# Allegro board Lay-45699_A.brd
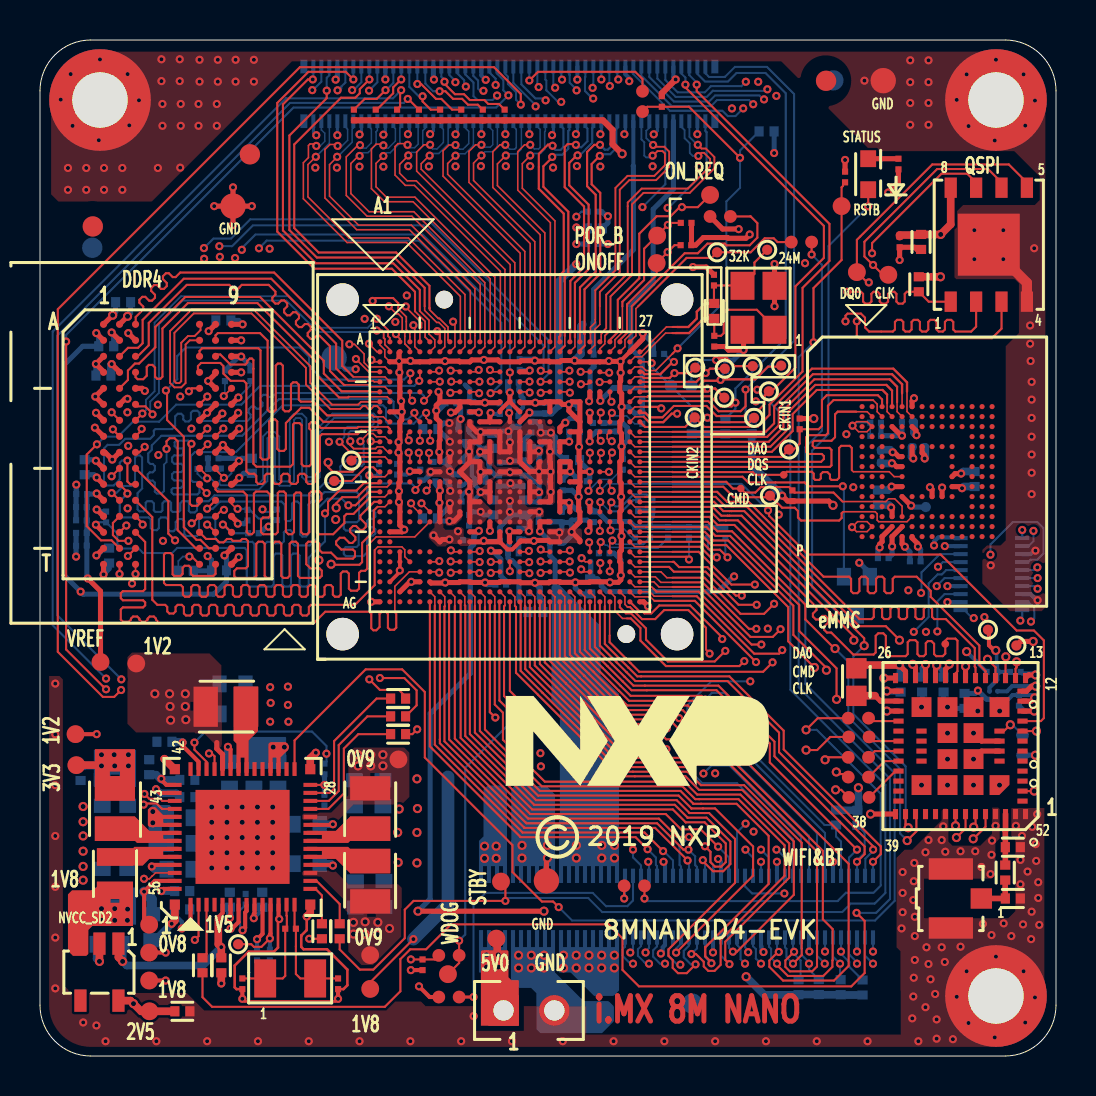
[diagram p0: board, top side]
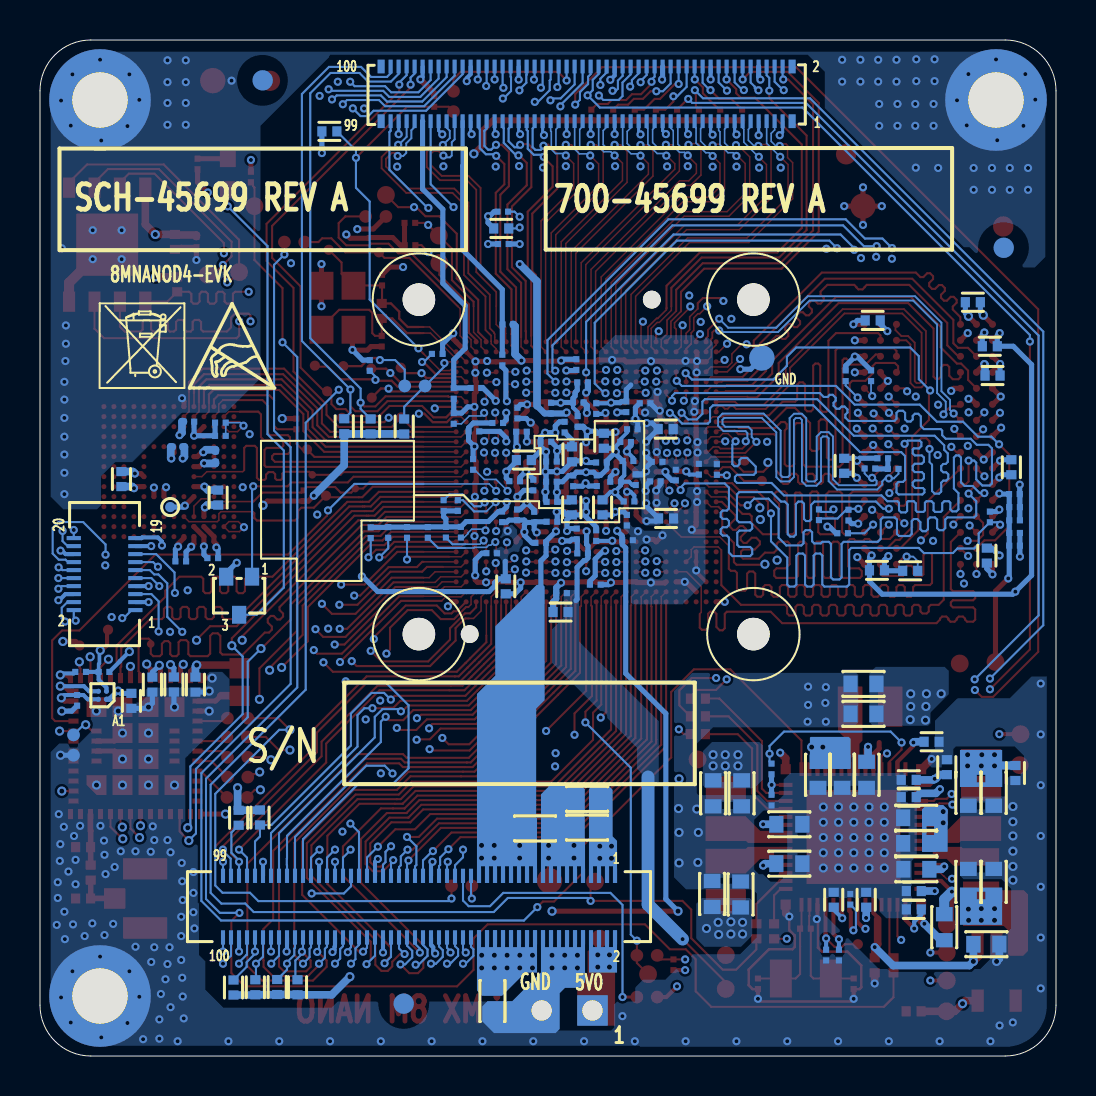
[diagram p1: board, bottom side, seen from below]

Outline 50.8 x 50.8 mm; copper layers: TOP, L2_GND, L3_IN1, L4_PWR_1, L5_PWR_2, BOTTOM. Coordinates in mm from the lower left corner of the outline.
Outline path: 0,48.26 0,2.54 arc(0.74,0.74) 2.54,0 48.26,0 arc(50.06,0.74) 50.8,2.54 50.8,48.26 arc(50.06,50.06) 48.26,50.8 2.54,50.8 arc(0.74,50.06) 0,48.26

## Design rules (mm)
constraint set DEFAULT: min track width 0.104
net group DIFFPAIR4: nets USB2_DN USB2_DP
net group DIFFPAIR5: nets USB1_DN USB1_DP
net group DIFFPAIR6: nets PCIE_TXN PCIE_TXP
net group DIFFPAIR7: nets PCIE_CLKN PCIE_CLKP
net group DIFFPAIR8: nets PCIE_RXN PCIE_RXP
net group DIFFPAIR9: nets DSI_DN3 DSI_DP3
net group DIFFPAIR10: nets DSI_DN2 DSI_DP2
net group DIFFPAIR11: nets DSI_CKN DSI_CKP
net group DIFFPAIR12: nets DSI_DN1 DSI_DP1
net group DIFFPAIR13: nets DSI_DN0 DSI_DP0
net group DIFFPAIR19: nets CSI_DN0 CSI_DP0
net group DIFFPAIR20: nets CSI_DN1 CSI_DP1
net group DIFFPAIR21: nets CSI_CKN CSI_CKP
net group DIFFPAIR22: nets CSI_DN2 CSI_DP2
net group DIFFPAIR23: nets CSI_DN3 CSI_DP3
net group DIFFPAIR25: nets DRAM_DQS1_N DRAM_DQS1_P
net group DDR-ADDRESS: nets DRAM_A8
net group M-DDR-DATA0: nets DRAM_DMI0 DRAM_DQ00 DRAM_DQ01 DRAM_DQ02 DRAM_DQ03 DRAM_DQ04 DRAM_DQ05 DRAM_DQ06 DRAM_DQ07 DRAM_DQS0_N DRAM_DQS0_P
net group M-DDR-DATA1: nets DRAM_DMI1 DRAM_DQ08 DRAM_DQ09 DRAM_DQ10 DRAM_DQ11 DRAM_DQ12 DRAM_DQ13 DRAM_DQ14 DRAM_DQ15
net group M-DDRADDRESS: nets DRAM_A0 DRAM_A1 DRAM_A2 DRAM_A3 DRAM_A4 DRAM_A5 DRAM_A6 DRAM_A7 DRAM_A9 DRAM_A10 DRAM_A11 DRAM_A12 DRAM_A13 DRAM_BA0 DRAM_BA1 DRAM_CKE DRAM_NACT DRAM_NCAS(A15) DRAM_NCS DRAM_NRAS DRAM_NWE(A14) DRAM_ODT DRAM_PARITY
net group M-EMMC: nets SD3_DATA1 SD3_DATA2 SD3_DATA3 SD3_DATA4 SD3_DATA5 SD3_DATA6 SD3_DATA7 SD3_STROBE
net group M-SD1: nets SD1_CLK SD1_CMD SD1_DATA0 SD1_DATA1 SD1_DATA2 SD1_DATA3
net group M-SD2: nets SD2_CLK SD2_CMD SD2_DATA0 SD2_DATA1 SD2_DATA2 SD2_DATA3
nets with their own width: min track width 0.091; nets DRAM_CK_C DRAM_CK_T

## Placement (name value [footprint] x y rotation side)
BH1  MOUNTING HOLE  [GNDPOINT256]  47.8 47.8 0 top
BH2  MOUNTING HOLE  [GNDPOINT256]  47.8 3 0 top
BH3  MOUNTING HOLE  [GNDPOINT256]  3 47.8 0 top
C1  0.22UF  [0201_CC]  23.88 32.68 0 bottom
C2  2.2uF  [0402_CC]  27.51 23.48 270 bottom
C3  0.22UF  [0201_CC]  26.94 27.06 270 bottom
C5  0.22UF  [0201_CC]  22.99 32.37 90 bottom
C6  0.22UF  [0201_CC]  25.76 25.66 0 bottom
C8  0.22UF  [0201_CC]  21.49 32.46 90 bottom
C9  0.22UF  [0201_CC]  29.11 31.23 0 bottom
C10  2.2uF  [0402_CC]  6.22 15.71 180 bottom
C11  2.2uF  [0402_CC]  9.06 4.54 270 top
C12  2.2uF  [0402_CC]  11.11 7.81 90 bottom
C13  4.7uF  [0402_CC]  7.36 13.81 180 bottom
C14  4.7uF  [0402_CC]  7.11 7.33 180 bottom
C15  1uF  [0201_CC]  25.21 27.71 180 bottom
C16  1uF  [0201_CC]  22.73 29.67 180 bottom
C17  0.22UF  [0201_CC]  27.69 26.96 270 bottom
C18  4.7uF  [0402_CC]  7.11 8.25 180 bottom
C20  10uF  [0402_CC]  22.61 30.76 270 bottom
C21  0.22UF  [0201_CC]  23.04 23.57 180 bottom
C23  0.22UF  [0201_CC]  26.09 26.94 270 bottom
C30  0.22UF  [0201_CC]  26.93 32.15 90 bottom
C33  10uF  [0402_CC]  24.21 27.43 90 bottom
C35  1uF  [0201_CC]  22.96 28.77 90 bottom
C36  1uF  [0201_CC]  23.96 26.1 270 bottom
C48  1uF  [0201_CC]  21.45 26.79 270 bottom
C54  1uF  [0201_CC]  22.02 28.71 180 bottom
C55  10uF  [0402_CC]  22.67 27.43 90 bottom
C61  1uF  [0201_CC]  21.35 27.73 0 bottom
C65  1uF  [0201_CC]  23.92 31.73 90 bottom
C74  1uF  [0201_CC]  21.4 29.75 0 bottom
C78  1uF  [0201_CC]  21.52 30.7 0 bottom
C88  10uF  [0402_CC]  19.5 26.88 180 bottom
C89  10uF  [0402_CC]  19.51 31.35 180 bottom
C90  1uF  [0201_CC]  21.01 28.82 270 bottom
C91  1uF  [0201_CC]  19.01 29.05 90 bottom
C92  1uF  [0201_CC]  19.94 29.71 180 bottom
C93  1uF  [0201_CC]  20.03 28.73 180 bottom
C94  1uF  [0201_CC]  20.55 32.64 180 bottom
C95  1uF  [0201_CC]  21.18 31.34 0 bottom
C99  0.22UF  [0201_CC]  23.67 25.13 0 bottom
C100  0.22UF  [0201_CC]  23.67 33.68 0 bottom
C101  0.22UF  [0201_CC]  26.13 28.55 270 bottom
C104  0.22UF  [0201_CC]  27.07 28.74 0 bottom
C105  4.7uF  [0402_CC]  4.16 37.69 0 bottom
C106  4.7uF  [0402_CC]  2.23 29.44 90 bottom
C108  4.7uF  [0402_CC]  3.17 34.02 0 bottom
C109  4.7uF  [0402_CC]  3.46 25.02 270 bottom
C110  0.01UF  [0201_CC]  2.08 28.1 180 bottom
C111  4.7uF  [0402_CC]  8.95 24.28 180 bottom
C112  4.7uF  [0402_CC]  3.31 35.49 0 bottom
C113  4.7uF  [0402_CC]  10.59 29.51 90 bottom
C114  4.7uF  [0402_CC]  9.16 36.78 180 bottom
C123  12pF  [0201_CC]  33.7 38.79 90 top
C124  12pF  [0201_CC]  33.71 35.74 270 top
C127  4.7uF  [0402_CC]  46.73 28.85 90 bottom
C128  0.22UF  [0201_CC]  42.03 29.97 270 bottom
C129  0.22UF  [0201_CC]  43.92 30.46 0 bottom
C130  10uF  [0402_CC]  41.89 27.92 90 bottom
C131  0.22UF  [0201_CC]  43.36 31.72 180 bottom
C132  0.22UF  [0201_CC]  43.76 24.73 0 bottom
C133  0.22UF  [0201_CC]  42.16 24.89 0 bottom
C136  0.22UF  [0201_CC]  41.78 31.67 0 bottom
C137  1uF  [0201_CC]  41.78 31.01 0 bottom
C138  0.22UF  [0201_CC]  42.98 40.7 270 top
C139  10uF  [0402_CC]  44.05 40.7 270 top
C140  1uF  [0201_CC]  48.95 17.78 270 bottom
C141  4.7uF  [0402_CC]  43.03 18.57 270 bottom
C142  4.7uF  [0402_CC]  44.11 18.57 270 bottom
C143  4.7uF  [0402_CC]  45.18 18.57 270 bottom
C146  4.7uF  [0402_CC]  46.23 17.76 270 bottom
C148  0.22UF  [0201_CC]  48.77 19.2 0 bottom
C234  4.7uF  [0402_CC]  26.61 29.8 180 bottom
C235  0.22UF  [0201_CC]  25.51 30.71 180 bottom
C241  0.22UF  [0201_CC]  26.73 31.21 0 bottom
C244  0.22UF  [0201_CC]  25.25 32.39 90 bottom
C245  18pF  [0201_CC]  29.14 29.58 90 bottom
C247  10uF  [0402_CC]  24.2 30.08 90 bottom
C248  1uF  [0201_CC]  25.2 26.71 0 bottom
C251  1uF  [0201_CC]  22.99 26.02 270 bottom
C253  1uF  [0201_CC]  24.14 28.76 90 bottom
C254  1uF  [0201_CC]  25.23 29.72 180 bottom
C255  1uF  [0201_CC]  25.23 28.71 180 bottom
C256  1uF  [0201_CC]  24.57 31.44 270 bottom
C260  4.7uF  [0402_CC]  2.03 14.15 270 bottom
C264  0.22UF  [0201_CC]  21.42 25.79 180 bottom
C265  10uF  [0402_CC]  24.77 22.2 0 bottom
C266  10uF  [0402_CC]  5.46 14.44 90 bottom
C267  1uF  [0201_CC]  17.86 29.34 90 bottom
C268  2200PF  [0201_CC]  23.98 34.57 90 bottom
C272  1uF  [0201_CC]  14.22 12.8 90 bottom
C273  1uF  [0201_CC]  11.49 5.05 270 bottom
C275  22uF  [0603_CC]  15.77 8.08 90 bottom
C279  10uF  [0603_CC]  10.69 14.06 90 bottom
C281  10uF  [0603_CC]  13.33 11.59 0 bottom
C283  22uF  [0603_CC]  17.14 13.13 270 bottom
C285  22uF  [0603_CC]  17.19 8.1 90 bottom
C287  22uF  [0603_CC]  15.72 13.13 270 bottom
C295  10uF  [0603_CC]  13.33 9.62 0 bottom
C298  18pF  [0201_CC]  14.9 3.61 270 top
C299  18pF  [0201_CC]  10.12 3.61 270 top
C301  10uF  [0603_CC]  11.9 14.06 90 bottom
C306  10uF  [0603_CC]  6.99 10.63 180 bottom
C307  10uF  [0603_CC]  6.99 11.91 180 bottom
C311  22uF  [0603_CC]  4.38 13.16 270 bottom
C312  22uF  [0603_CC]  3.11 13.16 270 bottom
C316  10uF  [0603_CC]  6.98 9.34 180 bottom
C317  22uF  [0603_CC]  4.38 8.71 90 bottom
C318  22uF  [0603_CC]  3.11 8.71 90 bottom
C323  10uF  [0603_CC]  9.47 14.06 90 bottom
C324  22uF  [0603_CC]  9.63 17.11 0 bottom
C325  22uF  [0603_CC]  9.63 18.61 0 bottom
C333  1uF  [0201_CC]  10.85 5.05 270 bottom
C337  1uF  [0201_CC]  10.29 7.84 90 bottom
C351  4.7uF  [0402_CC]  7.36 12.94 0 bottom
C363  4.7uF  [0402_CC]  9.49 7.81 90 bottom
C365  10uF  [0603_CC]  5.59 6.44 270 bottom
C389  1uF  [0201_CC]  2.07 27.44 180 bottom
C390  1uF  [0201_CC]  2.07 25.52 0 bottom
C391  1uF  [0201_CC]  27.91 31.65 0 bottom
C392  0.22UF  [0201_CC]  28.21 25.14 0 bottom
C393  0.22UF  [0201_CC]  27.41 36.58 180 bottom
C394  0.22UF  [0201_CC]  30.11 33.13 270 bottom
C400  0.22UF  [0201_CC]  24.72 23.14 0 bottom
C401  10uF  [0603_CC]  23.44 12.86 180 bottom
C402  10uF  [0603_CC]  23.44 11.42 180 bottom
C403  22uF  [0603_CC]  26.04 11.38 180 bottom
C404  22uF  [0603_CC]  28.18 2.75 270 bottom
C422  0.22UF  [0201_CC]  8.66 29.89 0 bottom
C423  4.7uF  [0402_CC]  7.12 2.24 0 top
C424  10uF  [0603_CC]  3.48 5.59 0 bottom
D1  LED GREEN  [LED_0603]  41.41 44.09 270 top
J2  MXC3N2001  [CON_3_UFL_R_SMT]  45.54 7.88 270 top
J4  DF40C-100DP-0.4V(51)  [CON100_0P4_21P7X2P05_SM]  23.47 48.11 0 bottom
J5  DF40C-100DS-0.4V(51)  [CON100_0P4_22P8X3P1_SM]  31.85 7.47 0 bottom
J6  HDR 1X2 TH  [HDR_1X2]  23.18 2.28 90 top
J7  DF40C-20DS-0.4V(51)  [CON20_0P4_6P8X3P1_SM]  47.57 24.1 90 bottom
L2  2.2uH  [IND_0603A]  40.82 18.7 270 top
L3  2.2nH  [0402_CC]  48.64 7.88 0 top
L4  1.3nH  [0402_CC]  48.64 10.44 0 top
L5  0.47uH  [IND_SPH2520]  16.51 8.74 270 top
L6  0.47uH  [IND_SPH2520]  16.51 12.37 90 top
L11  1uH  [IND_SPH2520]  3.75 12.37 90 top
L13  0.47uH  [IND_2016A]  3.75 9.12 270 top
L15  0.47uH  [IND_SPH2520]  9.29 17.46 180 top
NOREF  -  []  22.85 9.01 0 top
NOREF#2  -  []  48.62 7.8 0 top
NOREF#3  -  []  43.25 5.9 90 top
NOREF#4  -  []  7.53 14.34 0 top
NOREF#5  -  []  46 27.5 0 top
NOREF#6  -  []  47.48 17.84 0 top
NOREF#7  -  []  7.53 14.34 0 top
NOREF#8  -  []  42.33 19.5 0 top
NOREF#9  -  []  279.89 66.11 0 top
NOREF#10  -  []  6.74 14.34 90 top
NOREF#11  -  []  48.78 18.9 0 top
NOREF#12  -  [unnamed#2]  10.49 45.08 90 top
NOREF#13  -  [unnamed#3]  23.49 29.46 270 top
NOREF#14  -  []  42.93 17.75 90 top
NOREF#15  -  []  20.63 7.45 90 top
NOREF#16  -  []  -292.82 -210.12 0 top
NOREF#17  -  []  42.78 18.9 0 top
NOREF#18  -  []  42.33 11.5 90 top
NOREF#19  -  []  47.88 17.84 90 top
NOREF#20  -  []  13.51 14.34 0 top
NOREF#21  -  []  47.28 18.44 0 top
NOREF#22  -  []  13.52 8.36 90 top
NOREF#23  -  []  6.74 14.34 0 top
NOREF#24  -  []  9.9 24.03 90 top
NOREF#25  -  []  42.78 12.1 90 top
NOREF#26  -  []  42.93 18.25 0 top
NOREF#27  -  []  9.58 24.58 90 top
NOREF#28  -  [unnamed#2]  39.3 48.76 0 top
NOREF#29  -  []  38.33 6.17 0 top
NOREF#30  -  []  -38.84 -146.35 0 top
NOREF#31  -  []  20.45 9.04 0 top
NOREF#32  -  []  41.62 6.72 90 top
NOREF#33  -  []  23.3 13.51 0 top
NOREF#34  -  []  13.52 11.96 90 top
NOREF#35  -  []  46.03 25.9 0 top
NOREF#36  -  []  13.51 7.57 90 top
NOREF#37  -  []  22.05 9.01 0 top
NOREF#38  -  []  3.18 24.58 0 top
NOREF#39  -  []  641.81 -152.03 0 top
NOREF#40  -  []  9.58 24.58 90 top
NOREF#41  -  []  1.33 24.83 0 top
NOREF#42  -  []  46 20.7 90 top
NOREF#43  -  []  13.63 7.45 0 top
NOREF#44  -  []  25.87 10.93 0 top
NOREF#45  -  []  46.03 22.3 90 top
NOREF#46  -  []  23.49 29.21 0 top
NOREF#47  -  []  7.98 24.58 0 top
NOREF#48  -  []  -264.82 291.64 0 top
NOREF#49  -  []  48.08 17.64 90 top
NOREF#50  -  []  0.16 0.59 0 top
NOREF#51  -  []  46.03 22.3 90 top
NOREF#52  -  []  42.93 12.75 90 top
NOREF#53  -  [unnamed#2]  2.64 41.48 0 top
NOREF#54  -  []  41.65 5.93 90 top
NOREF#55  -  []  -25.43 -42.54 0 top
NOREF#56  -  []  27.36 2.21 0 top
NOREF#57  -  [unnamed#2]  2.61 40.41 180 bottom
NOREF#58  -  [unnamed#2]  39.67 48.78 180 bottom
NOREF#59  -  [unnamed#2]  32.61 2.62 270 bottom
Q1  NX3008NBKW,115  [SC70_3]  40.84 23.01 0 bottom
QZ2  32.768KHZ  [XTAL2-3P2X1P5-SM]  12.51 3.88 0 top
R4  10K  [0201_CC]  3.31 26.95 270 bottom
R5  240 OHM  [0201_CC]  10.52 34.01 270 bottom
R7  240 OHM  [0201_CC]  16.96 29.32 270 bottom
R8  43 OHM  [0201_CC]  8.14 29.35 0 bottom
R9  43 OHM  [0201_CC]  9.3 29.38 180 bottom
R10  4.7K  [0201_CC]  17.85 47.05 90 top
R11  4.7K  [0201_CC]  18.95 47.05 90 top
R12  4.7K  [0201_CC]  15.69 47.05 90 top
R13  4.7K  [0201_CC]  16.79 47.05 90 top
R14  4.7K  [0201_CC]  20.01 47.05 90 top
R15  4.7K  [0201_CC]  21.06 47.05 90 top
R16  4.7K  [0201_CC]  22.14 47.05 90 top
R17  4.7K  [0201_CC]  23.23 47.05 90 top
R18  10K  [0201_CC]  34.31 34.53 90 bottom
R20  100K  [0201_CC]  32.31 41.66 180 top
R21  100K  [0201_CC]  32.3 40.54 180 top
R23  10K  [0201_CC]  30.94 35.1 180 bottom
R26  510K  [0402_CC]  33.71 37.25 270 top
R28  8.2K  [0402_CC]  27.74 41.38 0 bottom
R29  200  [0201_CC]  27.66 42.22 0 bottom
R30  200  [0201_CC]  27.63 40.6 0 bottom
R37  10K  [0402_CC]  43.94 38.59 270 top
R44  0  [0402_CC]  48.26 9.17 90 top
R47  10K  [0402_CC]  34.27 31.48 270 bottom
R48  0  [0402_CC]  17.91 16.98 180 top
R51  0  [0402_CC]  14.1 6.24 90 top
R52  0  [0402_CC]  14.98 6.24 90 top
R54  0  [0402_CC]  17.91 17.87 180 top
R55  0  [RC0402_25]  20.45 5.03 180 top
R57  1M  [0201_CC]  12.53 6.36 180 top
R61  100K  [0201_CC]  14.23 14.35 90 bottom
R63  1K  [0201_CC]  2.07 26.15 0 bottom
R64  1K  [0201_CC]  2.07 26.78 180 bottom
R71  10K  [0402_CC]  41.13 3.42 270 bottom
R72  10K  [0402_CC]  40.03 3.44 270 bottom
R75  10K  [0402_CC]  38.94 3.45 270 bottom
R76  10K  [0402_CC]  37.92 3.44 270 bottom
R77  10K  [0402_CC]  36.33 46.23 0 bottom
R78  10K  [0402_CC]  32.59 31.48 270 bottom
R79  10K  [0402_CC]  35.59 31.49 270 bottom
R95  10K  [0402_CC]  40.87 11.91 90 bottom
R97  10K  [0402_CC]  39.8 11.92 90 bottom
R100  0  [RC0402_25]  38.07 40.7 180 top
R102  100K  [0201_CC]  40.25 43.95 270 top
R103  100K  [0201_CC]  30.11 31.88 90 bottom
R106  100K  [0201_CC]  19.13 4.56 90 top
R108  30K  [0201_CC]  27.68 34.8 90 bottom
R109  30K  [0201_CC]  29.01 33.4 0 bottom
R111  0  [0402_CC]  8.12 4.54 270 top
R113  0  [RC0402_25]  34.01 41.98 0 top
R114  0  [0402_CC]  17.91 16.09 0 top
R115  0  [RC0402_25]  40.92 16.89 0 top
R116  0  [RC0402_25]  29.72 8.51 180 top
R117  10K  [0201_CC]  37.98 31.6 270 top
R118  10K  [0201_CC]  37.62 28.01 90 top
R119  10K  [0201_CC]  31.41 26.18 270 bottom
R120  10K  [0201_CC]  29.76 26.19 270 bottom
R121  10K  [0201_CC]  33.39 26.18 270 bottom
R122  10K  [0201_CC]  30.51 26.19 270 bottom
R123  10K  [0201_CC]  30.62 27.52 90 bottom
R124  10K  [0201_CC]  29.91 27.52 90 bottom
R125  1K  [0201_CC]  42.92 44.6 90 top
R126  10K  [0201_CC]  34.27 26.16 270 bottom
R127  0  [RC0402_25]  20.45 2.95 180 top
R129  0  [RC0402_25]  40.92 14.94 180 top
R130  0  [RC0402_25]  40.95 15.95 180 top
R131  0  [RC0402_25]  40.95 12.93 180 top
R132  0  [RC0402_25]  40.92 13.95 180 top
R133  4.7K  [0201_CC]  32.45 26.18 270 bottom
R134  0  [RC0402_25]  30.13 47.73 90 top
R135  100K  [0201_CC]  31.09 47.73 90 top
R139  43 OHM  [0201_CC]  10.67 26.14 0 bottom
R153  10K  [0201_CC]  47.6 19.2 0 bottom
R154  0  [RC0402_25]  49.12 15.55 270 bottom
R155  0  [RC0402_25]  32.06 33.5 0 bottom
R156  0  [0201_CC]  10.38 27.04 90 bottom
R158  0  [0201_CC]  11.85 27.06 270 bottom
R159  0  [0201_CC]  9.25 34.01 270 bottom
R160  0  [0402_CC]  7.29 24.26 0 bottom
TP1  -  [TPAD_020]  35.63 34.49 0 top
TP2  -  [TPAD_020]  34.24 34.37 0 top
TP3  -  [TPAD_020]  34.21 32.92 0 top
TP4  -  [TPAD_020]  37.06 34.52 0 top
TP5  -  [TPAD_020]  32.76 34.42 0 top
TP6  TP_35MIL  [TESTPOINT_35MIL]  33.5 43.05 0 top
TP7  TP_35MIL  [TESTPOINT_35MIL]  30.83 39.65 180 top
TP8  TP_35MIL  [TESTPOINT_35MIL]  40.08 42.49 270 top
TP9  TP_35MIL  [TESTPOINT_35MIL]  30.86 41.02 0 top
TP10  TP_35MIL  [TESTPOINT_35MIL]  23.05 8.72 0 top
TP11  -  [TPAD_015]  45.26 20.6 90 top
TP12  -  [TPAD_020]  47.4 21.31 270 top
TP13  -  [TPAD_020]  48.82 20.52 270 top
TP15  -  [TPAD_020]  15.57 29.77 0 top
TP16  TP_35MIL  [TESTPOINT_35MIL]  40.84 39.19 180 top
TP17  TP_35MIL  [TESTPOINT_35MIL]  42.42 39.06 180 top
TP18  -  [TPAD_020]  44.29 27.45 180 bottom
TP19  -  [TPAD_020]  35.7 31.91 0 top
TP20  -  [TPAD_020]  36.44 33.24 0 top
TP21  -  [TPAD_020]  32.74 31.93 0 top
TP22  TP_35MIL  [TESTPOINT_35MIL]  16.51 5.04 0 top
TP23  TP_35MIL  [TESTPOINT_35MIL]  17.92 14.83 90 top
TP25  TP_35MIL  [TESTPOINT_35MIL]  1.82 14.54 0 top
TP26  TP_35MIL  [TESTPOINT_35MIL]  1.87 7.81 0 top
TP27  TP_35MIL  [TESTPOINT_35MIL]  4.81 19.63 270 top
TP28  TP_35MIL  [TESTPOINT_35MIL]  5.46 3.77 0 top
TP29  TP_35MIL  [TESTPOINT_35MIL]  5.46 5.17 0 top
TP31  TP_35MIL  [TESTPOINT_35MIL]  1.78 16.09 0 top
TP32  TP_35MIL  [TESTPOINT_35MIL]  16.51 3.35 0 top
TP33  TP_35MIL  [TESTPOINT_35MIL]  5.46 6.57 0 top
TP34  -  [TPAD_020]  36.5 28.02 0 top
TP35  -  [TPAD_015]  35.04 28.37 0 top
TP36  -  [TPAD_020]  37.45 30.33 0 top
TP38  -  [TPAD_020]  36.36 40.31 0 top
TP39  -  [TPAD_020]  33.85 40.18 0 top
TP40  -  [TPAD_015]  37.19 29.06 0 top
TP44  -  [TPAD_050]  9.65 42.49 0 top
TP45  -  [TPAD_050]  25.32 8.76 0 top
TP46  -  [TPAD_050]  42.16 48.77 0 top
TP47  -  [TPAD_050]  14.71 34.9 180 bottom
TP51  TP_35MIL  [TESTPOINT_35MIL]  22.82 5.87 0 top
TP52  -  [TPAD_020]  9.91 5.59 0 top
TP53  TP_35MIL  [TESTPOINT_35MIL]  20.4 4.09 0 top
TP58  -  [TPAD_020]  14.71 28.75 0 top
TP100  TP_35MIL  [TESTPOINT_35MIL]  3.03 19.7 90 top
TP105  TP_35MIL  [TESTPOINT_35MIL]  5.47 2.24 0 top
U1  MIMX8MN6DVTJZAA  [BGA486_0P5_14X14]  23.49 29.21 0 top
U2  MT40A1G16RC-062E:B  [FBGA96_0P8_13X10]  6.38 30.58 0 top
U4  SDINBDG4-16G-I1  [FBGA153_0P5_11P5X13]  44.35 29.22 0 top
U5  MT25QU256ABA1EW7-0SIT  [DFN8_1P27_6X5MM_3P1]  47.44 40.57 90 top
U6  LBEE5HY1MW  [LGA72_0P5_7P9X7P3]  46.03 15.5 180 top
U7  ADP191ACBZ-R7  [WLCSP4_0P4_0P8X0P8_SMDP]  47.68 18.04 0 bottom
U8  BD71847MWV  [UQFN56_0P4_7X7_EP_S185]  10.13 10.96 90 top
U9  RT9193-25GB  [SOT23-5]  2.92 4.22 180 top
Y1  24MHZ  [XTLOSC4_3P2X2P5MM_SM]  35.93 37.41 90 top

## Library data of the parts
BH1-BH3 = MOUNT_HOLE
C1-C3 C5 C6 C8-C18 C20 C21 C23 C30 C33 C35 C36 C48 C54 C55 C61 C65 C74 C78 C88-C95 C99-C101 C104-C106 C108-C114 C123 C124 C127-C133 C136-C143 C146 C148 C234 C235 C241 C244 C245 C247 C248 C251 C253-C256 C260 C264-C268 C272 C273 C275 C279 C281 C283 C285 C287 C295 C298 C299 C301 C306 C307 C311 C312 C316-C318 C323-C325 C333 C337 C351 C363 C365 C389-C394 C400-C404 C422-C424 = CAP_NP
D1 = LED
J2 = UFL
J4 J5 = HDR_2X50_M
J6 = CONN_HDR_2X1
J7 = CONN_HDR_10X2
L2 L3 L11 L13 = INDUCTOR
L4 = IND
L5 L6 L15 = INDUCTOR: tolerance: 20%
Q1 = NMOS_NX3008NBK
QZ2 = XTAL
R4 R5 R7-R18 R20 R21 R23 R26 R28-R30 R37 R44 R48 R51 R52 R54 R55 R57 R61 R63 R64 R102 R103 R106 R108 R109 R114-R127 R133 R135 R139 R153 R156 R158-R160 = RES
R47 R71 R72 R75-R79 R95 R97 = RES: tolerance: 5%
R100 R111 R113 R129-R132 R134 R154 R155 = RES: tolerance: 1%
TP1-TP5 TP11-TP13 TP15 TP18-TP21 TP34-TP36 TP38-TP40 TP44-TP47 TP52 TP58 = TESTLOOP
TP6-TP10 TP16 TP17 TP22 TP23 TP25-TP29 TP31-TP33 TP51 TP53 TP100 TP105 = T POINT R: Tolerance: TOLERANCE; User Part Number: 510-75618
U1 = MIMX8NN_BGA486P
U2 = MT40A512M16JY_BGA96
U4 = SDINBDG4-16G_VFBGA_153P
U5 = MT25QL256ABA1EW9_9P
U6 = LBEE5HY1MW_LGA72
U7 = ADP199_4P
U8 = BD71847MWV_UQFN56
U9 = RT9193-33PB
Y1 = XTAL_13

## Footprints (pads in the part's own frame, mm; a bottom-side part is the same pattern mirrored in y, then rotated)
0201_CC
  rect 0.305x0.305 smd: 1(-0.267,0) 2(0.267,0)
0402_CC
  rect 0.457x0.508 smd: 1(-0.375,0) 2(0.375,0)
0603_CC
  rect 0.711x0.838 smd: 1(-0.65,0) 2(0.65,0)
BGA486_0P5_14X14
  round 0.254 smd: A1(-6.5,6.5) A2(-6,6.5) A3(-5.5,6.5) A4(-5,6.5) A5(-4.5,6.5) A6(-4,6.5) A7(-3.5,6.5) A8(-3,6.5) A9(-2.5,6.5) A10(-2,6.5) A11(-1.5,6.5) A12(-1,6.5) A13(-0.5,6.5) A14(0,6.5) A15(0.5,6.5) A16(1,6.5) A17(1.5,6.5) A18(2,6.5) A19(2.5,6.5) A20(3,6.5) A21(3.5,6.5) A22(4,6.5) A23(4.5,6.5) A24(5,6.5) A25(5.5,6.5) A26(6,6.5) A27(6.5,6.5) AA1(-6.5,-3.5) AA2(-6,-3.5) AA7(-3.5,-3.5) AA9(-2.5,-3.5) AA10(-2,-3.5) AA13(-0.5,-3.5) AA14(0,-3.5) AA15(0.5,-3.5) AA18(2,-3.5) AA19(2.5,-3.5) AA21(3.5,-3.5) AA26(6,-3.5) AA27(6.5,-3.5) AB1(-6.5,-4) AB2(-6,-4) AB3(-5.5,-4) AB4(-5,-4) AB5(-4.5,-4) AB6(-4,-4) AB9(-2.5,-4) AB10(-2,-4) AB13(-0.5,-4) AB15(0.5,-4) AB18(2,-4) AB19(2.5,-4) AB22(4,-4) AB23(4.5,-4) AB24(5,-4) AB25(5.5,-4) AB26(6,-4) AB27(6.5,-4) AC1(-6.5,-4.5) AC2(-6,-4.5) AC3(-5.5,-4.5) AC4(-5,-4.5) AC6(-4,-4.5) AC9(-2.5,-4.5) AC10(-2,-4.5) AC13(-0.5,-4.5) AC14(0,-4.5) AC15(0.5,-4.5) AC18(2,-4.5) AC19(2.5,-4.5) AC22(4,-4.5) AC24(5,-4.5) AC25(5.5,-4.5) AC26(6,-4.5) AC27(6.5,-4.5) AD1(-6.5,-5) AD2(-6,-5) AD5(-4.5,-5) AD6(-4,-5) AD9(-2.5,-5) AD10(-2,-5) AD13(-0.5,-5) AD15(0.5,-5) AD18(2,-5) AD19(2.5,-5) AD22(4,-5) AD23(4.5,-5) AD26(6,-5) AD27(6.5,-5) AE1(-6.5,-5.5) AE2(-6,-5.5) AE5(-4.5,-5.5) AE6(-4,-5.5) AE9(-2.5,-5.5) AE10(-2,-5.5) AE13(-0.5,-5.5) AE14(0,-5.5) AE15(0.5,-5.5) AE18(2,-5.5) AE19(2.5,-5.5) AE22(4,-5.5) AE23(4.5,-5.5) AE26(6,-5.5) AE27(6.5,-5.5) AF1(-6.5,-6) AF2(-6,-6) AF3(-5.5,-6) AF4(-5,-6) AF5(-4.5,-6) AF6(-4,-6) AF7(-3.5,-6) AF8(-3,-6) AF9(-2.5,-6) AF10(-2,-6) AF11(-1.5,-6) AF12(-1,-6) AF13(-0.5,-6) AF14(0,-6) AF15(0.5,-6) AF16(1,-6) AF17(1.5,-6) AF18(2,-6) AF19(2.5,-6) AF20(3,-6) AF21(3.5,-6) AF22(4,-6) AF23(4.5,-6) AF24(5,-6) AF25(5.5,-6) AF26(6,-6) AF27(6.5,-6) AG1(-6.5,-6.5) AG2(-6,-6.5) AG3(-5.5,-6.5) AG4(-5,-6.5) AG5(-4.5,-6.5) AG6(-4,-6.5) AG7(-3.5,-6.5) AG8(-3,-6.5) AG9(-2.5,-6.5) AG10(-2,-6.5) AG11(-1.5,-6.5) AG12(-1,-6.5) AG13(-0.5,-6.5) AG14(0,-6.5) AG15(0.5,-6.5) AG16(1,-6.5) AG17(1.5,-6.5) AG18(2,-6.5) AG19(2.5,-6.5) AG20(3,-6.5) AG21(3.5,-6.5) AG22(4,-6.5) AG23(4.5,-6.5) AG24(5,-6.5) AG25(5.5,-6.5) AG26(6,-6.5) AG27(6.5,-6.5) B1(-6.5,6) B2(-6,6) B3(-5.5,6) B4(-5,6) B5(-4.5,6) B6(-4,6) B7(-3.5,6) B8(-3,6) B9(-2.5,6) B10(-2,6) B11(-1.5,6) B12(-1,6) B13(-0.5,6) B14(0,6) B15(0.5,6) B16(1,6) B17(1.5,6) B18(2,6) B19(2.5,6) B20(3,6) B21(3.5,6) B22(4,6) B23(4.5,6) B24(5,6) B25(5.5,6) B26(6,6) B27(6.5,6) C1(-6.5,5.5) C2(-6,5.5) C5(-4.5,5.5) C6(-4,5.5) C9(-2.5,5.5) C10(-2,5.5) C13(-0.5,5.5) C14(0,5.5) C15(0.5,5.5) C18(2,5.5) C19(2.5,5.5) C22(4,5.5) C23(4.5,5.5) C26(6,5.5) C27(6.5,5.5) D1(-6.5,5) D2(-6,5) D5(-4.5,5) D6(-4,5) D9(-2.5,5) D10(-2,5) D13(-0.5,5) D15(0.5,5) D18(2,5) D19(2.5,5) D22(4,5) D23(4.5,5) D26(6,5) D27(6.5,5) E1(-6.5,4.5) E2(-6,4.5) E3(-5.5,4.5) E4(-5,4.5) E6(-4,4.5) E9(-2.5,4.5) E10(-2,4.5) E13(-0.5,4.5) E14(0,4.5) E15(0.5,4.5) E18(2,4.5) E19(2.5,4.5) E22(4,4.5) E24(5,4.5) E25(5.5,4.5) E26(6,4.5) E27(6.5,4.5) F1(-6.5,4) F2(-6,4) F3(-5.5,4) F4(-5,4) F5(-4.5,4) F6(-4,4) F9(-2.5,4) F10(-2,4) F13(-0.5,4) F15(0.5,4) F18(2,4) F19(2.5,4) F22(4,4) F23(4.5,4) F24(5,4) F25(5.5,4) F26(6,4) F27(6.5,4) G1(-6.5,3.5) G2(-6,3.5) G7(-3.5,3.5) G9(-2.5,3.5) G10(-2,3.5) G13(-0.5,3.5) G14(0,3.5) G15(0.5,3.5) G18(2,3.5) G19(2.5,3.5) G21(3.5,3.5) G26(6,3.5) G27(6.5,3.5) H1(-6.5,3) H2(-6,3) H10(-2,3) H13(-0.5,3) H15(0.5,3) H18(2,3) H26(6,3) H27(6.5,3) J1(-6.5,2.5) J2(-6,2.5) J3(-5.5,2.5) J4(-5,2.5) J5(-4.5,2.5) J6(-4,2.5) J7(-3.5,2.5) J10(-2,2.5) J11(-1.5,2.5) J12(-1,2.5) J13(-0.5,2.5) J14(0,2.5) J15(0.5,2.5) J16(1,2.5) J17(1.5,2.5) J18(2,2.5) J21(3.5,2.5) J22(4,2.5) J23(4.5,2.5) J24(5,2.5) J25(5.5,2.5) J26(6,2.5) J27(6.5,2.5) K1(-6.5,2) K2(-6,2) K3(-5.5,2) K4(-5,2) K5(-4.5,2) K6(-4,2) K7(-3.5,2) K8(-3,2) K9(-2.5,2) K12(-1,2) K13(-0.5,2) K15(0.5,2) K16(1,2) K19(2.5,2) K20(3,2) K21(3.5,2) K22(4,2) K23(4.5,2) K24(5,2) K25(5.5,2) K26(6,2) K27(6.5,2) L1(-6.5,1.5) L2(-6,1.5) L9(-2.5,1.5) L10(-2,1.5) L11(-1.5,1.5) L12(-1,1.5) L13(-0.5,1.5) L15(0.5,1.5) L16(1,1.5) L17(1.5,1.5) L18(2,1.5) L19(2.5,1.5) L26(6,1.5) L27(6.5,1.5) M1(-6.5,1) M2(-6,1) M9(-2.5,1) M12(-1,1) M13(-0.5,1) M14(0,1) M15(0.5,1) M16(1,1) M19(2.5,1) M26(6,1) M27(6.5,1) N1(-6.5,0.5) N2(-6,0.5) N3(-5.5,0.5) N4(-5,0.5) N5(-4.5,0.5) N6(-4,0.5) N7(-3.5,0.5) N8(-3,0.5) N9(-2.5,0.5) N10(-2,0.5) N11(-1.5,0.5) N12(-1,0.5) N13(-0.5,0.5) N15(0.5,0.5) N16(1,0.5) N17(1.5,0.5) N18(2,0.5) N19(2.5,0.5) N20(3,0.5) N21(3.5,0.5) N22(4,0.5) N23(4.5,0.5) N24(5,0.5) N25(5.5,0.5) N26(6,0.5) N27(6.5,0.5) P1(-6.5,0) P2(-6,0) P3(-5.5,0) P5(-4.5,0) P7(-3.5,0) P9(-2.5,0) P12(-1,0) P13(-0.5,0) P15(0.5,0) P16(1,0) P19(2.5,0) P21(3.5,0) P23(4.5,0) P25(5.5,0) P26(6,0) P27(6.5,0) R1(-6.5,-0.5) R2(-6,-0.5) R3(-5.5,-0.5) R4(-5,-0.5) R5(-4.5,-0.5) R6(-4,-0.5) R7(-3.5,-0.5) R8(-3,-0.5) R9(-2.5,-0.5) R10(-2,-0.5) R11(-1.5,-0.5) R12(-1,-0.5) R13(-0.5,-0.5) R15(0.5,-0.5) R16(1,-0.5) R17(1.5,-0.5) R18(2,-0.5) R19(2.5,-0.5) R20(3,-0.5) R21(3.5,-0.5) R22(4,-0.5) R23(4.5,-0.5) R24(5,-0.5) R25(5.5,-0.5) R26(6,-0.5) R27(6.5,-0.5) T1(-6.5,-1) T2(-6,-1) T9(-2.5,-1) T12(-1,-1) T13(-0.5,-1) T14(0,-1) T15(0.5,-1) T16(1,-1) T19(2.5,-1) T26(6,-1) T27(6.5,-1) U1(-6.5,-1.5) U2(-6,-1.5) U9(-2.5,-1.5) U10(-2,-1.5) U11(-1.5,-1.5) U12(-1,-1.5) U13(-0.5,-1.5) U15(0.5,-1.5) U16(1,-1.5) U17(1.5,-1.5) U18(2,-1.5) U19(2.5,-1.5) U26(6,-1.5) U27(6.5,-1.5) V1(-6.5,-2) V2(-6,-2) V3(-5.5,-2) V4(-5,-2) V5(-4.5,-2) V6(-4,-2) V7(-3.5,-2) V8(-3,-2) V9(-2.5,-2) V12(-1,-2) V13(-0.5,-2) V15(0.5,-2) V16(1,-2) V19(2.5,-2) V20(3,-2) V21(3.5,-2) V22(4,-2) V23(4.5,-2) V24(5,-2) V25(5.5,-2) V26(6,-2) V27(6.5,-2) W1(-6.5,-2.5) W2(-6,-2.5) W3(-5.5,-2.5) W4(-5,-2.5) W5(-4.5,-2.5) W6(-4,-2.5) W7(-3.5,-2.5) W10(-2,-2.5) W11(-1.5,-2.5) W12(-1,-2.5) W13(-0.5,-2.5) W14(0,-2.5) W15(0.5,-2.5) W16(1,-2.5) W17(1.5,-2.5) W18(2,-2.5) W21(3.5,-2.5) W22(4,-2.5) W23(4.5,-2.5) W24(5,-2.5) W25(5.5,-2.5) W26(6,-2.5) W27(6.5,-2.5) Y1(-6.5,-3) Y2(-6,-3) Y10(-2,-3) Y13(-0.5,-3) Y15(0.5,-3) Y18(2,-3) Y26(6,-3) Y27(6.5,-3)
CON20_0P4_6P8X3P1_SM
  rect 0.203x0.711 smd: 1(-1.8,-1.54) 2(-1.8,1.54) 3(-1.4,-1.54) 4(-1.4,1.54) 5(-1,-1.54) 6(-1,1.54) 7(-0.6,-1.54) 8(-0.6,1.54) 9(-0.2,-1.54) 10(-0.2,1.54) 11(0.2,-1.54) 12(0.2,1.54) 13(0.6,-1.54) 14(0.6,1.54) 15(1,-1.54) 16(1,1.54) 17(1.4,-1.54) 18(1.4,1.54) 19(1.8,-1.54) 20(1.8,1.54)
CON100_0P4_21P7X2P05_SM
  rect 0.356x0.686 smd: (-10.275,-1.368) (-10.275,1.368) (10.275,-1.368) (10.275,1.368)
  rect 0.203x0.686 smd: 1(-9.8,1.368) 2(-9.8,-1.368) 3(-9.4,1.368) 4(-9.4,-1.368) 5(-9,1.368) 6(-9,-1.368) 7(-8.6,1.368) 8(-8.6,-1.368) 9(-8.2,1.368) 10(-8.2,-1.368) 11(-7.8,1.368) 12(-7.8,-1.368) 13(-7.4,1.368) 14(-7.4,-1.368) 15(-7,1.368) 16(-7,-1.368) 17(-6.6,1.368) 18(-6.6,-1.368) 19(-6.2,1.368) 20(-6.2,-1.368) 21(-5.8,1.368) 22(-5.8,-1.368) 23(-5.4,1.368) 24(-5.4,-1.368) 25(-5,1.368) 26(-5,-1.368) 27(-4.6,1.368) 28(-4.6,-1.368) 29(-4.2,1.368) 30(-4.2,-1.368) 31(-3.8,1.368) 32(-3.8,-1.368) 33(-3.4,1.368) 34(-3.4,-1.368) 35(-3,1.368) 36(-3,-1.368) 37(-2.6,1.368) 38(-2.6,-1.368) 39(-2.2,1.368) 40(-2.2,-1.368) 41(-1.8,1.368) 42(-1.8,-1.368) 43(-1.4,1.368) 44(-1.4,-1.368) 45(-1,1.368) 46(-1,-1.368) 47(-0.6,1.368) 48(-0.6,-1.368) 49(-0.2,1.368) 50(-0.2,-1.368) 51(0.2,1.368) 52(0.2,-1.368) 53(0.6,1.368) 54(0.6,-1.368) 55(1,1.368) 56(1,-1.368) 57(1.4,1.368) 58(1.4,-1.368) 59(1.8,1.368) 60(1.8,-1.368) 61(2.2,1.368) 62(2.2,-1.368) 63(2.6,1.368) 64(2.6,-1.368) 65(3,1.368) 66(3,-1.368) 67(3.4,1.368) 68(3.4,-1.368) 69(3.8,1.368) 70(3.8,-1.368) 71(4.2,1.368) 72(4.2,-1.368) 73(4.6,1.368) 74(4.6,-1.368) 75(5,1.368) 76(5,-1.368) 77(5.4,1.368) 78(5.4,-1.368) 79(5.8,1.368) 80(5.8,-1.368) 81(6.2,1.368) 82(6.2,-1.368) 83(6.6,1.368) 84(6.6,-1.368) 85(7,1.368) 86(7,-1.368) 87(7.4,1.368) 88(7.4,-1.368) 89(7.8,1.368) 90(7.8,-1.368) 91(8.2,1.368) 92(8.2,-1.368) 93(8.6,1.368) 94(8.6,-1.368) 95(9,1.368) 96(9,-1.368) 97(9.4,1.368) 98(9.4,-1.368) 99(9.8,1.368) 100(9.8,-1.368)
CON100_0P4_22P8X3P1_SM
  rect 0.203x0.711 smd: 1(-9.8,-1.54) 2(-9.8,1.54) 3(-9.4,-1.54) 4(-9.4,1.54) 5(-9,-1.54) 6(-9,1.54) 7(-8.6,-1.54) 8(-8.6,1.54) 9(-8.2,-1.54) 10(-8.2,1.54) 11(-7.8,-1.54) 12(-7.8,1.54) 13(-7.4,-1.54) 14(-7.4,1.54) 15(-7,-1.54) 16(-7,1.54) 17(-6.6,-1.54) 18(-6.6,1.54) 19(-6.2,-1.54) 20(-6.2,1.54) 21(-5.8,-1.54) 22(-5.8,1.54) 23(-5.4,-1.54) 24(-5.4,1.54) 25(-5,-1.54) 26(-5,1.54) 27(-4.6,-1.54) 28(-4.6,1.54) 29(-4.2,-1.54) 30(-4.2,1.54) 31(-3.8,-1.54) 32(-3.8,1.54) 33(-3.4,-1.54) 34(-3.4,1.54) 35(-3,-1.54) 36(-3,1.54) 37(-2.6,-1.54) 38(-2.6,1.54) 39(-2.2,-1.54) 40(-2.2,1.54) 41(-1.8,-1.54) 42(-1.8,1.54) 43(-1.4,-1.54) 44(-1.4,1.54) 45(-1,-1.54) 46(-1,1.54) 47(-0.6,-1.54) 48(-0.6,1.54) 49(-0.2,-1.54) 50(-0.2,1.54) 51(0.2,-1.54) 52(0.2,1.54) 53(0.6,-1.54) 54(0.6,1.54) 55(1,-1.54) 56(1,1.54) 57(1.4,-1.54) 58(1.4,1.54) 59(1.8,-1.54) 60(1.8,1.54) 61(2.2,-1.54) 62(2.2,1.54) 63(2.6,-1.54) 64(2.6,1.54) 65(3,-1.54) 66(3,1.54) 67(3.4,-1.54) 68(3.4,1.54) 69(3.8,-1.54) 70(3.8,1.54) 71(4.2,-1.54) 72(4.2,1.54) 73(4.6,-1.54) 74(4.6,1.54) 75(5,-1.54) 76(5,1.54) 77(5.4,-1.54) 78(5.4,1.54) 79(5.8,-1.54) 80(5.8,1.54) 81(6.2,-1.54) 82(6.2,1.54) 83(6.6,-1.54) 84(6.6,1.54) 85(7,-1.54) 86(7,1.54) 87(7.4,-1.54) 88(7.4,1.54) 89(7.8,-1.54) 90(7.8,1.54) 91(8.2,-1.54) 92(8.2,1.54) 93(8.6,-1.54) 94(8.6,1.54) 95(9,-1.54) 96(9,1.54) 97(9.4,-1.54) 98(9.4,1.54) 99(9.8,-1.54) 100(9.8,1.54)
CON_3_UFL_R_SMT
  rect 1.016x1.067 smd: 1(0,1.524)
  rect 1.067x2.21 smd: 2(-1.476,0) 3(1.476,0)
DFN8_1P27_6X5MM_3P1
  rect 1.016x0.61 smd: 1(-2.85,1.905) 2(-2.85,0.635) 3(-2.85,-0.635) 4(-2.85,-1.905) 5(2.85,-1.905) 6(2.85,-0.635) 7(2.85,0.635) 8(2.85,1.905)
  rect 3.099x3.099 smd: 9(0,0)
FBGA96_0P8_13X10
  round 0.356 smd: A1(-3.2,6) A2(-2.4,6) A3(-1.6,6) A7(1.6,6) A8(2.4,6) A9(3.2,6) B1(-3.2,5.2) B2(-2.4,5.2) B3(-1.6,5.2) B7(1.6,5.2) B8(2.4,5.2) B9(3.2,5.2) C1(-3.2,4.4) C2(-2.4,4.4) C3(-1.6,4.4) C7(1.6,4.4) C8(2.4,4.4) C9(3.2,4.4) D1(-3.2,3.6) D2(-2.4,3.6) D3(-1.6,3.6) D7(1.6,3.6) D8(2.4,3.6) D9(3.2,3.6) E1(-3.2,2.8) E2(-2.4,2.8) E3(-1.6,2.8) E7(1.6,2.8) E8(2.4,2.8) E9(3.2,2.8) F1(-3.2,2) F2(-2.4,2) F3(-1.6,2) F7(1.6,2) F8(2.4,2) F9(3.2,2) G1(-3.2,1.2) G2(-2.4,1.2) G3(-1.6,1.2) G7(1.6,1.2) G8(2.4,1.2) G9(3.2,1.2) H1(-3.2,0.4) H2(-2.4,0.4) H3(-1.6,0.4) H7(1.6,0.4) H8(2.4,0.4) H9(3.2,0.4) J1(-3.2,-0.4) J2(-2.4,-0.4) J3(-1.6,-0.4) J7(1.6,-0.4) J8(2.4,-0.4) J9(3.2,-0.4) K1(-3.2,-1.2) K2(-2.4,-1.2) K3(-1.6,-1.2) K7(1.6,-1.2) K8(2.4,-1.2) K9(3.2,-1.2) L1(-3.2,-2) L2(-2.4,-2) L3(-1.6,-2) L7(1.6,-2) L8(2.4,-2) L9(3.2,-2) M1(-3.2,-2.8) M2(-2.4,-2.8) M3(-1.6,-2.8) M7(1.6,-2.8) M8(2.4,-2.8) M9(3.2,-2.8) N1(-3.2,-3.6) N2(-2.4,-3.6) N3(-1.6,-3.6) N7(1.6,-3.6) N8(2.4,-3.6) N9(3.2,-3.6) P1(-3.2,-4.4) P2(-2.4,-4.4) P3(-1.6,-4.4) P7(1.6,-4.4) P8(2.4,-4.4) P9(3.2,-4.4) R1(-3.2,-5.2) R2(-2.4,-5.2) R3(-1.6,-5.2) R7(1.6,-5.2) R8(2.4,-5.2) R9(3.2,-5.2) T1(-3.2,-6) T2(-2.4,-6) T3(-1.6,-6) T7(1.6,-6) T8(2.4,-6) T9(3.2,-6)
FBGA153_0P5_11P5X13